# KiCad board fjol-daisy.kicad_pcb (continued)
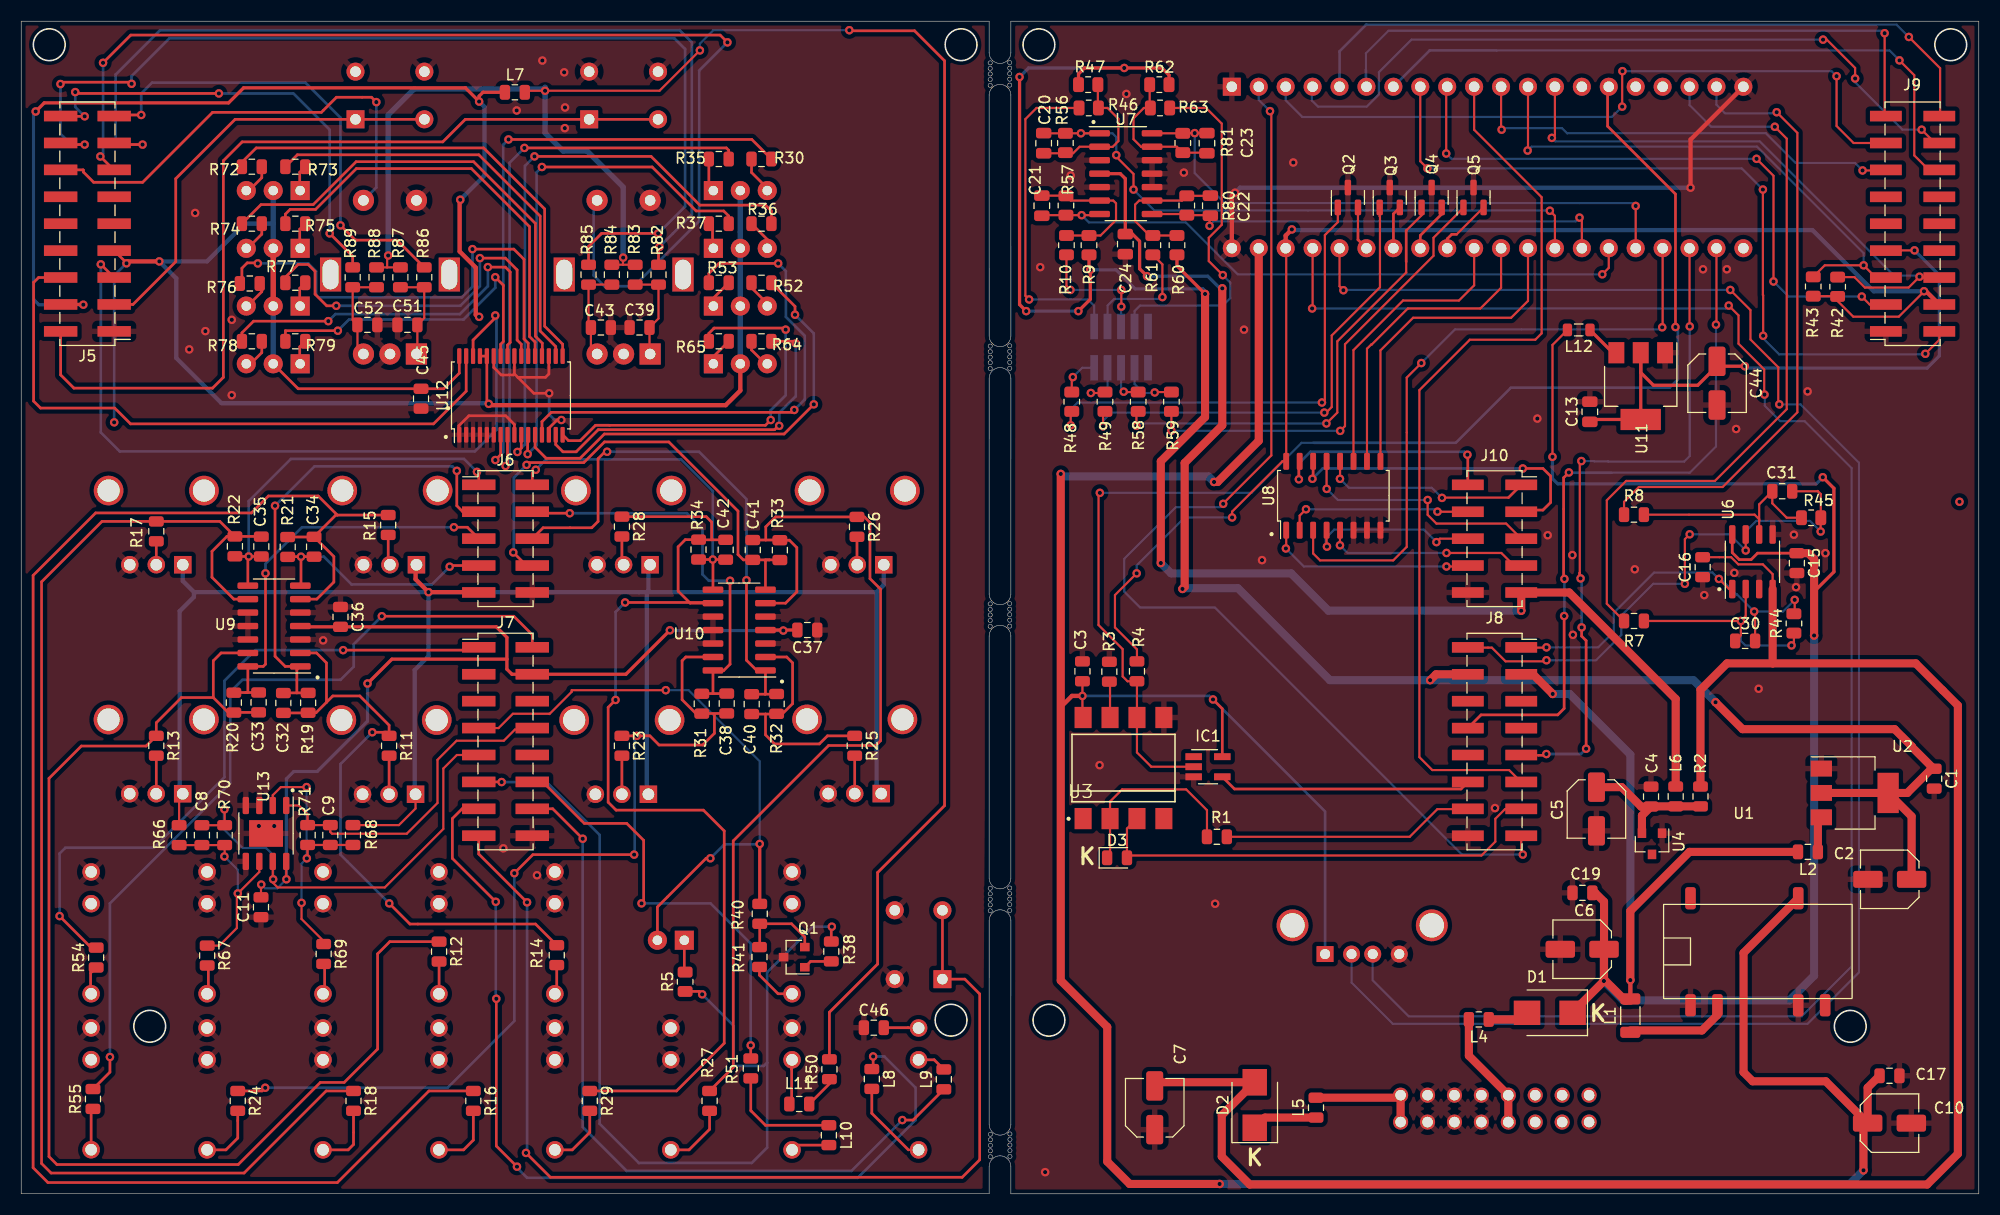
[diagram p0: board, top side]
## Nets
+3.3V: A1.38 J9.4 R4.2 R42.1 R43.2 U8.16
+3.3V_F: J5.4 L7.1
+3.3V_F1: L7.2 R50.2 R83.2 R84.2 R87.2 R88.2
+3.3VA: C1.1 C2.1 C24.2 J8.4 U2.2 U7.4
+3.3VA_F: C11.2 C36.2 C37.2 J7.4 U9.4 U10.4 U13.8
+3.3VP: C13.1 C44.1 J9.7 U11.2
+3.3VP_F: C45.1 D5.2 D6.2 D7.2 D8.2 D9.2 D10.2 D11.2 D12.2 J5.7 U12.28 U12.29 U12.32
+5V: A1.39 C3.1 C10.1 C17.1 IC1.5 U1.7 U3.8 X1.1
+12V: C6.1 C15.1 C19.1 D1.1 J8.3 L1.2 L2.2 L12.2 U6.8
+12V-F: J7.3
-10V: J10.9 L6.2 R9.2 R47.2 R60.2 R62.2
-10V_F: ATTACK1.1 CTL2.1 cutoff1.1 J6.9 PM1.1 PM2.1 R66.2 R68.2 RATIO1.1 RATIO2.1 RELEASE1.1
-12V: C7.2 C16.2 D2.2 R2.1 U6.4
GND: ATTACK1.3 C11.1 C36.1 C37.1 C39.1 C43.1 C45.2 C46.1 C51.1 C52.1 CTL2.3 cutoff1.3 CV-CTL2.P$2_SWITCH CV-CTL2.P$3_SLEEVE CV-CTL3.P$2_SWITCH CV-CTL3.P$3_SLEEVE CV-CTL4.P$2_SWITCH CV-CTL4.P$3_SLEEVE cv-cutoff1.P$2_SWITCH cv-cutoff1.P$3_SLEEVE CV-PM1.P$2_SWITCH CV-PM1.P$3_SLEEVE CV-PM2.P$2_SWITCH CV-PM2.P$3_SLEEVE CV-RAT1.P$2_SWITCH CV-RAT1.P$3_SLEEVE CV-RAT2.P$2_SWITCH CV-RAT2.P$3_SLEEVE CV-REL1.P$2_SWITCH CV-REL1.P$3_SLEEVE GATE-OUT1.P$3_SLEEVE J5.1 J6.10 J7.16 LEFT-OUT1.P$3_SLEEVE MIDI-THRU1.P$3_SLEEVE PM1.3 PM2.3 Q1.3 RATIO1.3 RATIO2.3 RELEASE1.3 RIGHT-OUT1.P$3_SLEEVE SW3.C SW3.S2 SW4.C SW4.S2 sw-midi1.3 sw-midi1.4 sw-sel1.3 sw-sel1.4 sw-sel2.3 sw-sel2.4 U9.3 U9.5 U9.10 U9.11 U9.12 U10.3 U10.5 U10.10 U10.11 U10.12 U12.1 U12.2 U12.3 U12.4 U12.5 U12.6 U12.9 U12.14 U12.19 U12.24 U12.27 U13.3 U13.4 U13.5 U13.9
GND1: A1.1 A1.20 A1.40 C1.2 C2.2 C3.2 C4.2 C5.2 C6.2 C7.1 C10.2 C13.2 C15.2 C16.1 C17.2 C19.2 C24.1 C44.2 IC1.3 J1.3 J1.4 J1.5 J1.6 J1.7 J1.8 J2.9 J2.10 J8.16 J9.1 J10.10 Q2.3 Q3.3 Q4.3 Q5.3 R3.1 U1.1 U1.4 U2.1 U3.5 U4.1 U6.3 U6.5 U7.3 U7.5 U7.10 U7.11 U7.12 U8.6 U8.7 U8.8 U11.1 X1.4
A: A1.31 U8.11
ATTACK: J10.6 U8.4
ATTACK_F: C40.1 J6.6 R32.1 U10.1
B: A1.30 U8.10
C: A1.29 U8.9
CONTROL1_CV: A1.22 J8.8
CONTROL1_CV_F: C9.1 J7.8 R71.1 U13.1
CONTROL2_CV: A1.23 J8.9
CONTROL2_CV_F: C8.1 J7.9 R70.1 U13.7
CONTROL3: J10.5 U8.13
CONTROL3_F: C33.1 J6.5 R20.1 U9.14
controls: A1.24 U8.3
ctl1_enc_A: A1.3 J9.15
ctl1_enc_A_F: J5.15 R82.2
ctl1_enc_B: A1.4 J9.16
ctl1_enc_B_F: J5.16 R85.1
ctl2_enc_A: A1.6 J9.17
ctl2_enc_A_F: J5.17 R86.2
ctl2_enc_B: A1.5 J9.18
ctl2_enc_B_F: J5.18 R89.1
cutoff: J10.3 U8.14
cutoff_f: C32.1 J6.3 R19.1 U9.1
D+: A1.37 X1.3
D-: A1.36 X1.2
dac_left: A1.18 R7.1
dac_right: A1.19 R8.1
euro-5V: J8.7
euro-5V_f: D4.2 J7.7 R40.2
G1-EXP: A1.35 Q2.2
G1-EXP-I: J2.2 R48.1
G2-EXP: A1.34 Q3.2
G2-EXP-I: J2.4 R49.1
G3-EXP: A1.33 Q4.2
G3-EXP-I: J2.6 R58.1
G4-EXP: A1.32 Q5.2
G4-EXP-I: J2.8 R59.1
GATE: A1.10 J8.11
GATE-F: J7.11 R5.1 R38.2
led1_g: R30.2 U12.7
led1_r: R35.2 U12.8
led2_g: R36.2 U12.10
led2_r: R37.2 U12.11
led3_g: R52.2 U12.12
led3_r: R53.2 U12.13
led4_g: R64.2 U12.15
led4_r: R65.2 U12.16
led5_g: R72.2 U12.17
led5_r: R73.2 U12.18
led6_g: R74.2 U12.20
led6_r: R75.2 U12.21
led7_g: R76.2 U12.22
led7_r: R77.2 U12.23
led8_g: R78.2 U12.25
led8_r: R79.2 U12.26
led_gate: J8.10
led_gate_f: J7.10
LEFT-OUT: C30.1 J8.1 R44.2 U6.1
LEFT-OUT-F: J7.1 R54.2
MIDI-IN-L-F: J7.13 L8.1
MIDI-IN-R-F: J7.14 L9.1
MIDI-RX: A1.15 IC1.2 R4.1 U3.6
MIDI-RX4: J8.14 R1.2
MIDI-RX5: D3.2 J8.13 U3.3
MIDI-THRU: IC1.4 J8.12
MIDI-THRU-L-F: J7.12 R51.2
midi_sw: A1.2 J8.15
midi_sw-F: J7.15 sw-midi1.1 sw-midi1.2
PM1: J10.8 U8.1
PM1_F: C41.1 J6.8 R33.1 U10.7
PM2: J10.7 U8.5
PM2_F: C34.1 J6.7 R21.1 U9.7
RATIO1: J10.2 U8.15
RATIO1_F: C42.1 J6.2 R34.1 U10.8
RATIO2: J10.1 U8.12
RATIO2_F: C35.1 J6.1 R22.1 U9.8
RELEASE: J10.4 U8.2
RELEASE_F: C38.1 J6.4 R31.1 U10.14
RIGHT-OUT: C31.1 J8.2 R45.2 U6.7
RIGHT-OUT-F: J7.2 R55.2
SCL: A1.12 J9.5 R43.1
SCL_F: J5.5 U12.30
SDA: A1.13 J9.6 R42.2
SDA_F: J5.6 U12.31
switch1_sw: A1.8 J9.2
switch1_sw-F: J5.2 sw-sel1.1 sw-sel1.2
switch2_sw: A1.9 J9.3
switch2_sw-F: J5.3 sw-sel2.1 sw-sel2.2
switch3_sw: A1.11 J9.13
switch3_sw_F: J5.13 SW3.S1
switch4_sw: A1.7 J9.14
switch4_sw_F: J5.14 SW4.S1
voct1: A1.28 C20.1 R56.1 U7.1
voct1-I: J2.1 R46.2
voct2: A1.27 C22.1 R80.1 U7.8
voct2-I: J2.3 R61.2
voct3: A1.26 C21.1 R57.1 U7.7
voct3-I: J2.5 R10.2
voct4: A1.25 C23.1 R81.1 U7.14
voct4-I: J2.7 R63.2
Net-(ATTACK1-Pad2): ATTACK1.2 R25.2
Net-(C4-Pad1): C4.1 C5.1 L6.1 R2.2 U4.2
Net-(C8-Pad2): C8.2 R66.1 R67.1 R70.2 U13.6
Net-(C9-Pad2): C9.2 R68.1 R69.1 R71.2 U13.2
Net-(C20-Pad2): C20.2 R46.1 R47.1 R56.2 U7.2
Net-(C21-Pad2): C21.2 R9.1 R10.1 R57.2 U7.6
Net-(C22-Pad2): C22.2 R60.1 R61.1 R80.2 U7.9
Net-(C23-Pad2): C23.2 R62.1 R63.1 R81.2 U7.13
Net-(C30-Pad2): C30.2 R7.2 R44.1 U6.2
Net-(C31-Pad2): C31.2 R8.2 R45.1 U6.6
Net-(C32-Pad2): C32.2 R11.1 R14.1 R19.2 U9.2
Net-(C33-Pad2): C33.2 R12.1 R13.1 R20.2 U9.13
Net-(C34-Pad2): C34.2 R15.1 R16.1 R21.2 U9.6
Net-(C35-Pad2): C35.2 R17.1 R18.1 R22.2 U9.9
Net-(C38-Pad2): C38.2 R23.1 R24.1 R31.2 U10.13
Net-(C39-Pad2): C39.2 R82.1 R83.1 SW3.A
Net-(C40-Pad2): C40.2 R25.1 R32.2 U10.2
Net-(C41-Pad2): C41.2 R26.1 R27.1 R33.2 U10.6
Net-(C42-Pad2): C42.2 R28.1 R29.1 R34.2 U10.9
Net-(C43-Pad2): C43.2 R84.1 R85.2 SW3.B
Net-(C46-Pad2): C46.2 MIDI-IN1.P$3_SLEEVE
Net-(C51-Pad2): C51.2 R86.1 R87.1 SW4.A
Net-(C52-Pad2): C52.2 R88.1 R89.2 SW4.B
Net-(CTL2-Pad2): CTL2.2 R13.2
Net-(CV-CTL2-PadP$1_TIP): CV-CTL2.P$1_TIP R12.2
Net-(CV-CTL3-PadP$1_TIP): CV-CTL3.P$1_TIP R69.2
Net-(CV-CTL4-PadP$1_TIP): CV-CTL4.P$1_TIP R67.2
Net-(CV-PM1-PadP$1_TIP): CV-PM1.P$1_TIP R27.2
Net-(CV-PM2-PadP$1_TIP): CV-PM2.P$1_TIP R16.2
Net-(CV-RAT1-PadP$1_TIP): CV-RAT1.P$1_TIP R29.2
Net-(CV-RAT2-PadP$1_TIP): CV-RAT2.P$1_TIP R18.2
Net-(CV-REL1-PadP$1_TIP): CV-REL1.P$1_TIP R24.2
Net-(D1-Pad2): D1.2 L4.1
Net-(D2-Pad1): D2.1 L5.1
Net-(D3-Pad1): D3.1 R1.1 U3.2
Net-(D4-Pad1): D4.1 R5.2
Net-(D5-Pad1): D5.1 R35.1
Net-(D5-Pad3): D5.3 R30.1
Net-(D6-Pad1): D6.1 R37.1
Net-(D6-Pad3): D6.3 R36.1
Net-(D7-Pad1): D7.1 R53.1
Net-(D7-Pad3): D7.3 R52.1
Net-(D8-Pad1): D8.1 R65.1
Net-(D8-Pad3): D8.3 R64.1
Net-(D9-Pad1): D9.1 R73.1
Net-(D9-Pad3): D9.3 R72.1
Net-(D10-Pad1): D10.1 R75.1
Net-(D10-Pad3): D10.3 R74.1
Net-(D11-Pad1): D11.1 R77.1
Net-(D11-Pad3): D11.3 R76.1
Net-(D12-Pad1): D12.1 R79.1
Net-(D12-Pad3): D12.3 R78.1
Net-(GATE-OUT1-PadP$1_TIP): GATE-OUT1.P$1_TIP R41.1
Net-(J1-Pad1): J1.1 J1.2 L5.2
Net-(J1-Pad10): J1.9 J1.10 L4.2
Net-(L1-Pad1): L1.1 U1.2
Net-(L2-Pad1): L2.1 U2.3
Net-(L8-Pad2): L8.2 MIDI-IN1.P$1_TIP
Net-(L9-Pad2): L9.2 MIDI-IN1.P$2_SWITCH
Net-(L10-Pad1): L10.1 R51.1
Net-(L10-Pad2): L10.2 MIDI-THRU1.P$1_TIP
Net-(L11-Pad1): L11.1 R50.1
Net-(L11-Pad2): L11.2 MIDI-THRU1.P$2_SWITCH
Net-(L12-Pad1): L12.1 U11.3
Net-(LEFT-OUT1-PadP$1_TIP): LEFT-OUT1.P$1_TIP R54.1
Net-(PM1-Pad2): PM1.2 R26.2
Net-(PM2-Pad2): PM2.2 R15.2
Net-(Q1-Pad1): Q1.1 R38.1
Net-(Q1-Pad2): Q1.2 R40.1 R41.2
Net-(Q2-Pad1): Q2.1 R48.2
Net-(Q3-Pad1): Q3.1 R49.2
Net-(Q4-Pad1): Q4.1 R58.2
Net-(Q5-Pad1): Q5.1 R59.2
Net-(R3-Pad2): R3.2 U3.7
Net-(R11-Pad2): cutoff1.2 R11.2
Net-(R14-Pad2): cv-cutoff1.P$1_TIP R14.2
Net-(R17-Pad2): R17.2 RATIO2.2
Net-(R23-Pad2): R23.2 RELEASE1.2
Net-(R28-Pad2): R28.2 RATIO1.2
Net-(R55-Pad1): R55.1 RIGHT-OUT1.P$1_TIP

Pads without a net: A1 14 16 17 21; ATTACK1 CHASSIS1 CHASSIS2; CTL2 CHASSIS1 CHASSIS2; cutoff1 CHASSIS1 CHASSIS2; GATE-OUT1 P$2_SWITCH; IC1 1; J1 11 12 13 14 15 16; J5 8 9 10 11 12; J7 5 6; J8 5 6; J9 8 9 10 11 12; LEFT-OUT1 P$2_SWITCH; PM1 CHASSIS1 CHASSIS2; PM2 CHASSIS1 CHASSIS2; RATIO1 CHASSIS1 CHASSIS2; RATIO2 CHASSIS1 CHASSIS2; RELEASE1 CHASSIS1 CHASSIS2; RIGHT-OUT1 P$2_SWITCH; SW3 MP; SW4 MP; U1 5 10; U3 1 4; U4 3; X1 5

## Via types
v1: diameter 0.8, hole 0.4, Top to Bottom, 293 vias

## Routing (per net, layer and track width the routed paths; a pad name or vN(x,y) marks a point on that pad's centre or on a via; arc(x,y) is an arc through that point)
+3.3V: length 127.9
  Top w0.203: v1(105.23,58.56) 103.18,56.51 103.18,53.46 105.26,51.38 R4.2 ; R43.2 171.33,84.72 R42.1 171.36,84.26 172.83,82.78 177.13,82.78 179.51,85.16 v1(179.51,85.18) ; A1.38 119.34,89.19 U8.16 118.98,69.13 114.23,64.39 v1(114.23,63.83)
  Top w0.406: v1(119.87,91.02) 119.29,90.44 A1.38 ; J9.4 179.7,85.18 v1(179.51,85.18)
  Bottom w0.203: v1(105.23,58.56) 105.23,59.31 109.76,63.83 v1(114.23,63.83)
  Bottom w0.406: v1(179.51,85.18) 174.76,85.18 168.98,90.96 119.93,90.96 v1(119.87,91.02)
+3.3V_F: length 93.6
  Top w0.305: v1(1.37,102.15) 2.18,102.96 19.56,102.96 20.98,104.38 41.91,104.38 v1(43.2,103.09) 43.2,103.6 43.56,103.96 L7.1 ; J5.4 5.84,83.94 v1(5.86,83.91)
  Top w0.406: v1(43.2,82.77) 43.01,82.96 42.88,82.96 42.88,87.42 41.36,88.94 41.36,93.76 v1(41.42,93.82)
  Bottom w0.305: v1(5.86,83.91) 1.67,83.91 1.16,84.42 1.16,101.95 v1(1.37,102.15)
  Bottom w0.406: v1(43.2,103.09) 43.71,102.58 43.71,96.11 v1(41.42,93.82)
+3.3V_F1: length 198.3
  Top w0.203: 56.77,87.69 R84.2 ; 56.77,87.69 56.77,88.39 56.77,88.37 v1(56.79,88.36) ; 56.77,87.69 R83.2 ; v1(34.62,88.56) 34.52,88.46 34.52,87.44 ; R87.2 34.52,87.44 ; 34.52,87.44 R88.2 ; v1(64.03,107.92) 60.22,104.11 v1(49.42,104.11) 47.65,104.11 L7.2
  Top w0.254: R50.2 76.24,17.14 80.79,21.68 80.79,30.32 87.11,36.64 87.11,106.93 84.27,109.77 78.18,109.77 v1(78.12,109.82)
  Bottom w0.203: v1(64.03,107.92) 64.03,108.55 65.3,109.82 v1(78.12,109.82)
  Bottom w0.508: v1(56.79,88.36) 56.79,95.02 53.39,98.42 51.13,98.42 49.42,100.13 v1(49.42,104.11) 49.42,104.43 49.26,104.27 37.05,104.27 34.62,101.83 v1(34.62,88.56)
+3.3VA: length 162.3
  Top w0.203: 105.46,89.96 105.51,89.91
  Top w0.305: U7.4 103.68,96.28 104.16,95.81 C24.2 104.83,90.58 105.46,89.96 ; 178.3,42.23 180.31,40.22 ; v1(106.21,86.61) 105.51,87.31 105.51,89.91 ; 136.47,49.01 133.45,49.01 v1(132.92,48.48)
  Top w0.406: C1.1 178.36,42.23
  Top w0.762: J8.4 133.47,49.03 v1(132.92,48.48) ; U2.2 178.34,35.62 C2.1 ; U2.2 U2.2 ; U2.2 177.93,37.83 180.31,40.22 178.36,42.18 178.36,42.23 176.73,43.85 162.38,43.85 v1(159.84,46.39) ; v1(109.55,57.09) 109.76,57.3 109.76,68.98 113.31,72.53 v1(113.31,85.46)
  Bottom w0.305: v1(106.21,86.61) 111.93,86.61 113.08,85.46 v1(113.31,85.46)
  Bottom w0.762: v1(109.55,57.09) 109.63,57.16 114.78,57.16 123.46,48.48 v1(132.92,48.48) 157.76,48.48 v1(159.84,46.39)
+3.3VA_F: length 96.8
  Top w0.203: v1(22.65,29.19) 22.62,29.16 C11.2 ; U13.8 25,29.71 v1(25.02,29.69)
  Top w0.305: 71.95,53.21 70.22,53.21 U10.4 ; 71.95,53.21 C37.2 ; 71.95,53.21 v1(71.9,53.16) ; 45.82,50.46 45.82,49.51 46.3,49.04 J7.4 57.05,49.04 v1(61.2,53.19) ; 45.82,50.46 34.97,50.46 v1(32.67,48.16) ; 45.82,50.46 45.82,52.51 44.82,53.51 C36.2 26.41,53.51 U9.4
  Bottom w0.203: v1(25.02,29.69) 24.17,28.84 23,28.84 v1(22.65,29.19)
  Bottom w0.305: v1(71.9,53.16) 61.22,53.16 v1(61.2,53.19) ; v1(32.67,48.16) 32.67,44.61 27.92,39.86 25.72,39.86 25.02,39.16 v1(25.02,29.69)
+3.3VP: length 57.3
  Top w0.203: J9.7 177.32,89.02 177.35,89.04 v1(178.61,89.04)
  Top w0.305: C13.1 148.21,73.08 152.78,73.08 U11.2 152.78,77.51 153.98,76.31 158.16,76.31 159.98,78.13 C44.1 160.45,78.11 v1(162.61,78.11)
  Bottom w0.305: v1(178.61,89.04) 180.96,86.7 180.96,79.08 179.81,77.93 162.78,77.93 v1(162.61,78.11)
+3.3VP_F: length 159.2
  Top w0.25: v1(44.11,74.56) 43.93,74.74 U12.28 U12.29 ; C45.1 39.86,75.98 41.33,77.45 U12.32 ; J5.7 9.93,87.86 v1(9.93,87.82)
  Top w0.254: D12.2 26.13,75.98 C45.1
  Top w0.406: v1(44.11,74.56) 44.23,74.43 66.46,74.43 67.84,75.81 D8.2 ; v1(13.03,88) 10.11,88 v1(9.93,87.82)
  Top w0.508: D11.2 D10.2
  Bottom w0.25: v1(9.93,87.82) 8.77,86.66 v1(8.77,72.81)
  Bottom w0.406: v1(44.11,74.56) 44.04,74.62 18.89,74.62 14.63,78.88 14.63,86.4 v1(13.03,88) 17.53,88 21.09,91.56 23.78,91.56
  Bottom w0.508: D10.2 D9.2 ; D12.2 D11.2 ; D8.2 D7.2 D6.2 D5.2
+5V: length 380.9
  Top w0.203: U3.8 100.11,45.02 v1(100.11,46.99) C3.1
  Top w0.25: IC1.5 113.31,45.78 v1(112.43,46.66)
  Top w0.406: 98.07,45.94 99.12,46.99 v1(100.11,46.99) ; 98.07,45.94 98.07,20.13 ; 98.07,45.94 v1(98.07,67.94)
  Top w0.762: v1(112.53,67.18) 112.86,67.18 116.75,71.07 A1.39 ; v1(113.06,0.93) 104.57,0.93 102.45,3.05 102.45,15.75 98.07,20.13 v1(98.07,67.94) ; C17.1 174.19,10.01 C10.1 ; C10.1 170.24,10.62 163.34,10.62 162.48,11.47 162.48,22.74 U1.7 ; C10.1 173.8,6.28 v1(173.8,2.22)
  Bottom w0.25: v1(100.11,46.99) 112.1,46.99 v1(112.43,46.66) 123,36.09 X1.1
  Bottom w0.406: 172.69,0.93 171.66,0.93 ; 171.66,0.93 v1(113.06,0.93) ; 171.66,0.93 172.5,0.93
  Bottom w0.762: v1(113.06,0.93) 172.5,0.93 v1(173.8,2.22) ; v1(98.07,67.94) 98.31,67.71 112.01,67.71 v1(112.53,67.18)
+12V: length 210.3
  Top w0.203: L12.2 144.46,80.12 v1(144.46,69.56)
  Top w0.254: C15.1 163.8,60.46 163.19,59.86 162.08,59.86 161.42,60.52 U6.8
  Top w0.305: 141.51,49.01 142.65,49.01 143.15,48.5 ; v1(169.96,67.63) 171.01,66.58 171.01,58.7 169.14,56.83 v1(169.14,52.69)
  Top w0.406: v1(151.8,20.17) 151.8,18.22
  Top w0.762: C6.1 149.31,23.07 v1(149.31,20.08) 146.36,17.13 D1.1 ; C6.1 149.32,27.57 148.48,28.41 C19.1 ; C6.1 149.32,20.24 151.34,18.22 151.8,18.22 ; L2.2 157.38,32.27 151.8,26.7 v1(151.8,20.17) ; C15.1 168.59,60.46 169.14,59.91 v1(169.14,52.69) ; v1(144.48,47.18) 142.62,49.03 J8.3
  Bottom w0.305: v1(169.96,67.63) 169.33,67.01 144.96,67.01 144.46,67.51 v1(144.46,69.56)
  Bottom w0.762: v1(169.14,52.69) 169.14,20.58 166.81,18.26 151.13,18.26 v1(149.31,20.08) ; v1(144.48,47.18) 146.08,47.18 151.8,41.45 v1(151.8,20.17)
-10V: length 162.7
  Top w0.305: v1(111.68,84.93) 109.03,87.58 R60.2 ; R62.2 108.28,105.58 107.61,106.26 100.31,106.26 99.75,105.69 R47.2 ; v1(94.81,83.31) 94.18,83.93 v1(94.18,105.41) ; R9.2 100.73,87.33 v1(100.86,87.21) 100.86,84.43 v1(99.73,83.31)
  Top w0.762: v1(141.51,55.03) 141.51,55.03 J10.9 146.04,56.75 156.08,46.71 L6.2 ; v1(111.68,84.93) 111.68,73.31 107.51,69.13 v1(107.51,59.53)
  Bottom w0.305: v1(94.18,105.41) 95.03,106.26 v1(104.06,106.26) ; v1(111.68,84.93) 111.68,85.21 111.48,85.41 105.08,85.41 103.28,87.21 v1(100.86,87.21) ; v1(94.81,83.31) v1(99.73,83.31)
  Bottom w0.762: v1(107.51,59.53) 108.48,58.56 119.81,58.56 123.33,55.03 v1(141.51,55.03)
-10V_F: length 169.5
  Top w0.203: CTL2.1 14.9,37.42 R66.2 ; R68.2 35.63,34.8 37.2,36.37 cutoff1.1
  Top w0.406: 37.21,59.37 37.21,58 v1(38.42,56.79) 43.13,56.79 J6.9
  Bottom w0.406: 59.17,59.37 59.17,56.91 59.05,56.79 ; 59.1,56.79 59.02,56.71 59.02,37.86 RELEASE1.1 ; 80.7,56.79 80.7,38.21 ATTACK1.1 ; 80.7,56.79 81.37,57.46 PM1.1 ; 80.7,56.79 v1(38.42,56.79) ; 16.3,56.79 15.24,57.84 RATIO2.1 ; 16.3,56.79 v1(38.42,56.79) ; 16.3,56.79 16.3,56.34 14.95,54.99 14.95,38.05 CTL2.1 ; v1(38.42,56.79) 38.42,50.74 37.12,49.44 37.12,37.79 cutoff1.1
-12V: length 209.7
  Top w0.203: U6.4 165.23,58.48 164.3,59.41 161.99,59.41 161.31,60.08 C16.2
  Top w0.254: 182.45,46.34 182.7,46.09
  Top w0.305: D2.2 115.29,10.53 ; 165.23,50.2 U6.4 ; 165.23,50.2 165.23,50.06 ; 165.23,50.2 161.06,50.2 158.42,47.56 ; 182.45,46.34 181.28,47.51
  Top w0.406: 107.28,10.53 115.29,10.53
  Top w0.762: R2.1 158.42,47.56 160.92,50.06 165.23,50.06 ; C7.2 107.28,10.53 D2.2 113.26,7.42 113.26,3.52 115.9,0.88 179.81,0.88 182.7,3.77 182.7,46.09 178.73,50.06 165.23,50.06 ; 165.23,50.06 U6.4
GND: length 27.1
  Top w0.25: 46.53,77.39 46.42,77.28 45.28,77.28 44.58,77.99 U12.27
  Top w0.254: U12.19 49.78,77.38 49.46,77.06 46.86,77.06 ; 46.86,77.06 48.36,75.56 v1(49.81,75.56) ; 46.86,77.06 46.53,77.39 U12.24 ; U12.14 49.78,72.26 50.55,73.03 v1(50.96,73.03) ; U12.9 46.53,72.61 45.71,73.43 42.23,73.43 41.28,72.48 41.28,71.68 U12.1
  Bottom w0.254: v1(49.81,75.56) 49.81,73.56 50.33,73.03 v1(50.96,73.03)
  vias: v1(15.85,79.69) v1(16.41,92.57) v1(17.37,81.42) v1(19.86,82.49) v1(19.86,75.38) v1(22.42,34.71) v1(23.87,34.71) v1(28.48,52.23) v1(45.48,32.61) v1(46.74,102.25) v1(48.66,30.07) v1(49.16,106.96) v1(51.22,105.85) v1(51.28,100.58) v1(51.3,102.53)
GND1: length 60.1
  Top w0.406: v1(157.48,94.96) 157.48,99.5 A1.20 ; v1(114.51,94.48) 114.21,94.18 A1.40
  Bottom w0.406: v1(157.48,94.96) 114.98,94.96 v1(114.51,94.48)
  vias: v1(96.13,87.46) v1(96.6,2.05) v1(99.01,96.11) v1(101.73,40.46) v1(104.26,103.81) v1(109.68,96.38) v1(112.63,27.38) v1(115.36,81.56) v1(117.06,59.81) v1(120.01,97.33) v1(139.03,36.41) v1(143.03,73.17) v1(144.01,62.16) v1(146.33,60.28) v1(146.38,52.76) v1(152.22,58.94) v1(158.66,87.26) v1(158.78,56.5) v1(160.91,87.26) v1(161.61,58.61) v1(161.78,72.18) v1(163.91,47.66) v1(167.23,62.21) v1(167.43,57.26) v1(168.53,75.73) v1(170.21,60.47)
(no net):
  vias: v1(182.85,65.32)
A: length 27.9
  Top w0.203: A1.31 137.07,85.74 135.63,84.31 130.36,84.31 125.68,79.63 125.68,69.14 U8.11
ATTACK: length 16.8
  Top w0.203: J10.6 133.83,61.83 v1(133.51,61.51) ; v1(123.18,61.08) 123.15,61.12 U8.4
  Bottom w0.203: v1(123.18,61.08) 123.06,61.21 123.06,61.88 123.86,62.68 132.33,62.68 v1(133.51,61.51)
ATTACK_F: length 50.9
  Top w0.25: J6.6 49.24,62.86 53.82,62.86 54.42,63.46 54.42,69.39 55.07,70.04 v1(55.27,70.04) ; C40.1 70.18,47.16 ; 70.18,47.16 71.25,47.16 R32.1 ; 70.18,47.16 70.21,47.19 U10.1 69.39,49.39 68.42,50.36 v1(68.42,57.91)
  Bottom w0.25: v1(55.27,70.04) 63.95,70.04 68.42,65.56 v1(68.42,57.91)
B: length 29.4
  Top w0.203: U8.10 126.96,79.76 127.36,80.16 127.41,80.16 130.81,83.56 137.66,83.56 139.61,85.51 A1.30
C: length 31.3
  Top w0.203: U8.9 128.23,79.6 131.31,82.68 140.56,82.68 142.15,84.27 A1.29
CONTROL1_CV: length 66
  Top w0.203: A1.22 159.93,82.08 v1(159.88,82.03)
  Top w0.25: J8.8 137.72,45.2 144.95,45.2 145.56,45.81 v1(145.56,54.53) ; v1(145.58,58.03) 145.51,58.11 145.51,67.58 v1(146.01,68.08)
  Bottom w0.203: v1(159.88,82.03) 159.88,70.53 157.41,68.06 149.98,68.06
  Bottom w0.25: v1(145.56,54.53) 145.58,54.56 v1(145.58,58.03) ; 149.98,68.06 146.03,68.06 v1(146.01,68.08)
CONTROL1_CV_F: length 31.8
  Top w0.203: U13.1 26.2,36.65 27.02,35.83 R71.1 C9.1 29.16,34.15 29.32,33.99 36.37,33.99 39.27,36.89 39.27,40.96 41.07,42.76 45.52,42.76 46.57,43.81 48.07,43.81 J7.8
CONTROL2_CV: length 63.9
  Top w0.203: 143.16,41.39 141.51,41.39 ; A1.23 157.39,81.88 v1(157.41,81.86) ; 147.01,58.58 147.03,58.61 147.03,69.01 v1(147.18,69.16)
  Top w0.25: v1(147.63,42.01) 147.63,52.21 147.21,52.63 v1(147.21,53.46) ; 147.01,58.58 147.01,58.18 v1(147.11,58.08) ; v1(143.88,41.51) 143.76,41.39 143.16,41.39
  Bottom w0.203: v1(157.41,81.86) 157.41,69.63 156.88,69.11 149.71,69.11 149.68,69.13 148.41,69.13 148.38,69.16 v1(147.18,69.16)
  Bottom w0.25: v1(147.63,42.01) 147.13,41.51 v1(143.88,41.51) ; v1(147.11,58.08) 147.21,57.98 v1(147.21,53.46)
CONTROL2_CV_F: length 43.6
  Top w0.203: v1(23.77,29.68) 23.77,29.34 24.2,28.91 34.3,28.91 39.82,34.44 39.82,40.14 41.1,41.42 J7.9 ; v1(19.17,36.29) 19.2,36.26 R70.1 C8.1 ; 23.73,29.72 U13.7
  Bottom w0.203: v1(19.17,36.29) 19.12,36.24 19.12,34.41 20.9,32.64 23.1,32.64 23.77,31.96 v1(23.77,29.68)
CONTROL3: length 23.7
  Top w0.203: J10.5 140.09,63.26 133.51,63.26 132.68,64.08 v1(132.68,65.48) ; U8.13 123.15,66.54 v1(123.16,66.53)
  Bottom w0.203: v1(132.68,65.48) 124.21,65.48 v1(123.16,66.53)
CONTROL3_F: length 38.2
  Top w0.25: 21.17,47.31 21.17,47.31 21.32,47.31 21.38,47.37 U9.14 22.84,49.78 23.05,49.99 v1(23.05,58.56) ; 21.17,47.31 C33.1 ; 21.17,47.31 20.08,47.31 R20.1 ; v1(40.82,62.91) 42.09,62.91 J6.5
  Bottom w0.25: v1(40.82,62.91) 26.5,62.91 23.05,59.46 v1(23.05,58.56)
controls: length 61.3
  Top w0.203: v1(154.81,81.78) 154.85,81.82 A1.24 ; v1(132.08,78.41) 130.71,77.03 130.71,61.06 129.43,59.78 122.53,59.78 121.88,60.44 U8.3
  Bottom w0.203: v1(154.81,81.78) 154.61,81.58 135.26,81.58 v1(132.08,78.41)
ctl1_enc_A: length 67.9
  Top w0.203: v1(151.06,105.96) 151.03,105.93 v1(151.03,102.61) ; v1(171.26,105.48) 171.26,100.78 172.86,99.18 J9.15
  Bottom w0.203: v1(151.06,105.96) 170.78,105.96 v1(171.26,105.48) ; A1.3 119.29,103.2 120.86,101.63 150.06,101.63 v1(151.03,102.61)
ctl1_enc_A_F: length 90.4
  Top w0.254: v1(60.22,89.37) 60.12,89.28 R82.2 ; v1(11.45,99.03) 8.92,99.03 J5.15
  Bottom w0.254: v1(11.45,99.03) 9.42,99.03 8.91,99.53 8.91,105.63 13.1,109.82 62.12,109.82 63.26,108.68 63.26,92.42 v1(60.22,89.37)
ctl1_enc_B: length 69.4
  Top w0.203: v1(179.28,100.43) 180.54,99.18 J9.16 ; v1(169.98,108.93) 170.33,108.93 173.01,106.26 v1(173.01,105.26)
  Bottom w0.203: v1(169.98,108.93) 131.16,108.93 128.08,105.86 128.08,103.76 126.93,102.61 122.33,102.61 121.76,103.18 121.76,104.41 A1.4 ; v1(179.28,100.43) 177.48,100.43 173.01,104.91 v1(173.01,105.26)
ctl1_enc_B_F: length 98.7
  Top w0.254: v1(3.7,104.74) 3.88,104.92 10.26,104.92 v1(10.41,104.76) ; v1(60.09,90.64) 54.76,90.64 53.52,89.41 R85.1 ; J5.16 3.87,99.03 v1(5.99,99.03)
  Bottom w0.254: v1(60.09,90.64) 62.63,93.18 62.63,108.04 61.61,109.06 13.99,109.06 10.41,105.49 v1(10.41,104.76) ; v1(5.99,99.03) 4.72,99.03 3.7,100.04 v1(3.7,104.74)
ctl2_enc_A: length 61
  Top w0.203: v1(175.79,109.54) 175.79,101.83 J9.17
  Bottom w0.203: 126.86,106.06 126.86,107.64 128.98,109.77 175.56,109.77 v1(175.79,109.54)
  Bottom w0.25: A1.6 126.86,104.53 126.86,106.06
ctl2_enc_A_F: length 44.9
  Top w0.254: J5.17 8.87,101.82 v1(11.32,101.82) ; v1(30.12,91.41) 31.51,90.01 35.45,90.01 R86.2
  Bottom w0.254: v1(30.12,91.41) 30.12,101.57 26.82,104.87 12.34,104.87 11.32,103.85 v1(11.32,101.82)
ctl2_enc_B: length 67.3
  Top w0.203: v1(178.08,109.18) 181.03,106.24 181.03,101.79 J9.18
  Bottom w0.203: v1(178.08,109.18) 176.91,110.35 126.89,110.35
  Bottom w0.25: 126.89,110.35 124.37,107.83 A1.5
ctl2_enc_B_F: length 44.3
  Top w0.254: J5.18 3.75,101.69 v1(5.99,101.69) ; v1(29.1,90.64) 31.27,88.47 R89.1 ; v1(18.65,103.85) 5.23,103.85 v1(5.1,103.98)
  Bottom w0.254: v1(18.65,103.85) 25.67,103.85 29.1,100.42 v1(29.1,90.64) ; v1(5.99,101.69) 5.1,102.58 v1(5.1,103.98)
cutoff: length 30.5
  Top w0.25: U8.14 121.88,67.55 v1(121.81,67.48) ; 141.51,64.37 141.67,64.53 143.56,64.53 144.28,65.26 144.28,67.73 143.56,68.46 v1(141.66,68.46)
  Bottom w0.25: v1(121.81,67.48) 122.78,68.46 v1(141.66,68.46)
cutoff_f: length 46.4
  Top w0.25: R19.1 26,47.28 ; 26,47.28 26,49.47 26.31,49.78 U9.1 24.91,49.78 23.95,50.74 v1(23.95,64.94) ; 26,47.28 24.75,47.28 C32.1 ; v1(41.1,68.24) 41.1,64.94 41.66,64.38 J6.3
  Bottom w0.25: v1(23.95,64.94) 27.67,68.66 40.67,68.66 v1(41.1,68.24)
D+: length 164.7
  Top w0.2: v1(164.46,75.43) 164.43,75.46 164.43,77.81 162.01,80.23 162.01,82.91 v1(161.08,83.83) ; A1.37 121.83,83.6 v1(121.78,83.56)
  Bottom w0.2: v1(161.08,83.83) 160.81,83.56 v1(121.78,83.56) ; v1(164.46,75.43) 164.48,75.46 164.48,74.38 165.93,72.93 168.24,72.93 172.68,68.49 172.68,21.47 167.97,16.76 130.88,16.76 127.49,20.15 127.49,22.62 X1.3
D-: length 165.4
  Top w0.2: v1(161.23,85.31) 163.13,83.41 163.13,80.63 165.76,78.01 165.76,74.61 v1(165.86,74.51) ; A1.36 124.37,85.65 v1(124.73,85.28)
  Bottom w0.2: v1(124.73,85.28) 124.76,85.31 v1(161.23,85.31) ; v1(165.86,74.51) 167.86,74.51 173.37,68.99 173.37,20.9 168.51,16.04 129.39,16.04 125.5,19.93 X1.2
dac_left: length 70.3
  Top w0.203: R7.1 149.58,55.69 149.58,65.46 151.41,67.28 159.78,67.28 166.56,74.06 166.56,99.58 v1(165.43,100.71)
  Bottom w0.203: A1.18 157.39,102.75 159.43,100.71 v1(165.43,100.71)
dac_right: length 57.9
  Top w0.203: R8.1 151.21,65.31 152.61,66.71 160.51,66.71 167.56,73.76 167.56,100.13 v1(165.61,102.08)
  Bottom w0.203: A1.19 159.93,102.79 160.73,101.98 165.51,101.98 v1(165.61,102.08)
euro-5V_f: length 59.6
  Top w0.203: v1(60.81,47.53) 51.93,47.53 51.93,47.38 49.83,45.28 49.81,45.31 46.38,45.31 45.03,43.96 J7.7
  Top w0.25: v1(65.01,31.67) 64.61,31.67 60.02,27.07 D4.2
  Top w0.305: R40.2 v1(69.67,33.02)
  Bottom w0.203: v1(60.81,47.53) 62.96,47.53 69.67,40.82 v1(69.67,33.02)
  Bottom w0.25: v1(65.01,31.67) 66.33,32.98 69.63,32.98 v1(69.67,33.02)
G1-EXP: length 4.3
  Top w0.203: 126.11,93.17 126.11,90.98
  Top w0.25: A1.35 126.11,90.04 126.11,90.98
G1-EXP-I: length 3.8
  Top w0.203: R48.1 99.11,76.98 v1(99.21,77.08)
  Bottom w0.203: v1(99.21,77.08) 100.08,77.96 J2.2
G2-EXP: length 4.1
  Top w0.25: A1.34 129.45,92.48 Q3.2
G2-EXP-I: length 5.1
  Top w0.203: v1(100.91,75.58) 102.15,75.58 R49.1
  Bottom w0.203: 102.49,77.96 102.49,75.96 102.11,75.58 v1(100.91,75.58)
G3-EXP: length 4.7
  Top w0.203: 133.96,93.09 Q4.2
  Top w0.25: A1.33 131.99,90.45 134.01,92.47 Q4.2
G3-EXP-I: length 3.7
  Top w0.203: v1(104.01,75.71) 104.05,75.67 R58.1
  Bottom w0.203: J2.6 103.76,75.96 v1(104.01,75.71)
G4-EXP: length 5.5
  Top w0.203: Q5.2 135.42,90.56
  Top w0.25: A1.32 134.53,90.13 134.96,90.56 135.42,90.56
G4-EXP-I: length 5.4
  Top w0.203: R59.1 106.97,75.67 v1(106.93,75.63)
  Bottom w0.203: J2.8 105.03,76.44 105.88,75.58 106.88,75.58 v1(106.93,75.63)
GATE: length 84.9
  Top w0.203: A1.10 137.07,100.42 143.43,94.06 143.43,81.21 142.83,80.61 136.66,80.61 131.9,75.85 131.9,41.21 133.12,39.99 140.36,39.99 141.51,38.85
GATE-F: length 97.5
  Top w0.25: v1(45.32,38.86) 45.31,38.88 J7.11 ; v1(76.47,25.21) 76.42,25.16 R38.2 ; v1(64.24,18.83) 63.97,19.1 R5.1
  Bottom w0.25: 70.37,12.39 70.37,4.36 68.92,2.91 58.27,2.91 54.57,6.61 54.57,33.86 49.57,38.86 v1(45.32,38.86) ; 70.37,12.39 70.05,12.07 67.22,12.07 67.22,15.85 v1(64.24,18.83) ; 70.37,12.39 70.37,20.91 74.67,25.21 v1(76.47,25.21)
led1_g: length 58.9
  Top w0.25: R30.2 68.92,99.51 v1(45.97,99.51)
  Top w0.254: U12.7 45.23,69.75 v1(44.73,69.25)
  Bottom w0.25: v1(44.73,69.25) 45.47,70 45.47,99.01 v1(45.97,99.51)
led1_r: length 54
  Top w0.25: R35.2 66.75,98.49 66.52,98.71 v1(47.47,98.71)
  Top w0.254: U12.8 45.88,68.88 v1(45.69,68.7)
  Bottom w0.25: v1(47.47,98.71) 46.07,97.31 46.07,69.07 v1(45.69,68.7)
led2_g: length 56
  Top w0.25: v1(48.42,97.91) 59.42,97.91 64.02,93.31 70.22,93.31 70.77,92.76 R36.2
  Top w0.254: U12.10 47.18,70.38 v1(46.81,70.02)
  Bottom w0.25: v1(48.42,97.91) 47.52,97.01 47.52,70.73 v1(46.81,70.02)
led2_r: length 49.8
  Top w0.25: R37.2 66.75,92.29 66.27,92.76 63.67,92.76 59.52,96.91 v1(49.12,96.91)
  Top w0.254: U12.11 47.78,71.59 v1(47.78,69.81)
  Bottom w0.25: v1(47.78,69.81) 48.62,70.66 48.62,96.41 v1(49.12,96.91)
led3_g: length 43.1
  Top w0.25: v1(74.77,74.51) 71.97,71.71 ; R52.2 73,83.76 v1(73,82.97)
  Top w0.254: 71.97,71.71 55.01,71.71 52.72,69.42 49.52,69.42 48.48,70.46 U12.12
  Bottom w0.25: v1(73,82.97) 74.77,81.2 v1(74.77,74.51)
led3_r: length 48.6
  Top w0.25: v1(71.41,87.81) 65.82,87.81 64.87,86.86 R53.2
  Top w0.254: v1(72.93,73.98) 72.71,73.76 50.01,73.76 49.13,72.88 U12.13
  Bottom w0.25: v1(71.41,87.81) 72.14,87.08 72.14,82.77 73.92,80.98 73.92,74.97 v1(72.93,73.98)
led4_g: length 34.1
  Top w0.25: 71.23,72.28 71.31,72.28 v1(71.51,72.48) ; R64.2 72.87,80.46 v1(73.07,80.26)
  Top w0.254: 71.23,72.28 71.07,72.12 54.44,72.12 52.35,70.03 51.11,70.03 50.43,70.71 U12.15
  Bottom w0.25: v1(71.51,72.48) 71.51,73.71 73.07,75.27 v1(73.07,80.26)
led4_r: length 38.1
  Top w0.25: 55.51,72.53 70.21,72.53 v1(70.71,73.03) ; v1(72.12,81.56) 71.97,81.71 65.37,81.71 64.87,81.21 R65.2
  Top w0.254: 55.51,72.53 54.18,72.53 52.73,71.08 51.63,71.08 U12.16
  Bottom w0.25: v1(72.12,81.56) 72.12,75.36 70.71,73.95 v1(70.71,73.03)
led5_g: length 46.5
  Top w0.25: R72.2 20.82,97.36 22.17,98.71 43.62,98.71 49.38,92.95 49.38,81.88 51.08,80.19 U12.17
led5_r: length 40.7
  Top w0.25: U12.18 50.43,79.96 48.96,81.43 48.96,92.27 43.17,98.06 26.05,98.06 R73.2
led6_g: length 45.3
  Top w0.25: R74.2 22.62,93.36 27.55,93.36 31.6,97.41 42.68,97.41 48.51,91.58 48.51,80.93 49.16,80.28 49.16,79.09 U12.20
led6_r: length 40.4
  Top w0.25: U12.21 48.48,80.39 47.95,80.91 47.95,91.28 42.47,96.76 31.62,96.76 27.77,92.91 25.37,92.91 24.92,92.46 R75.2
led7_g: length 44.5
  Top w0.25: 20.82,85.99 20.82,87.36 21.32,87.86 22.27,87.86 v1(22.32,87.81) ; U12.22 47.83,80.29 47.43,80.68 47.43,88.2 46.47,89.16 v1(42.57,89.16)
  Bottom w0.25: v1(42.57,89.16) 42.57,85.61 41.57,84.61 28.02,84.61 27.82,84.81 27.82,87.06 27.07,87.81 v1(22.32,87.81)
led7_r: length 37.9
  Top w0.25: v1(43.27,88.31) 45.67,88.31 46.78,87.2 46.78,80.58 47.18,80.19 U12.23 ; R77.2 24.92,86.51 26.12,87.71 27.07,87.71 27.72,87.06 27.72,84.91 28.82,83.81 v1(29.72,83.81)
  Bottom w0.25: v1(29.72,83.81) 41.42,83.81 43.27,85.66 v1(43.27,88.31)
led8_g: length 38
  Top w0.25: R78.2 20.82,81.26 21.92,82.36 v1(28.97,82.36) ; U12.25 45.88,80.1 46.13,80.36 46.13,87 45.67,87.46 v1(44.02,87.46)
  Bottom w0.25: v1(44.02,87.46) 44.02,85.66 41.39,83.02 29.64,83.02 v1(28.97,82.36)
led8_r: length 31.3
  Top w0.25: R79.2 24.92,81.46 v1(29.87,81.46) ; U12.26 45.23,80.18 45.48,80.43 45.48,85.75 v1(44.72,86.51)
  Bottom w0.25: v1(29.87,81.46) 30.93,82.52 41.73,82.52 44.72,85.51 v1(44.72,86.51)
LEFT-OUT: length 37.6
  Top w0.203: U6.1 161.11,57.08 v1(160.16,58.03) ; C30.1 163.57,54.87 v1(163.48,54.96) ; R44.2 167.31,54.82 v1(167.31,56.06) ; 141.51,51.55 143.86,51.55 v1(143.89,51.58)
  Bottom w0.203: v1(143.89,51.58) 148.77,51.58 150.24,53.05 150.24,54.83 154.05,58.64 159.55,58.64 v1(160.16,58.03) 160.35,58.03 161.81,56.56 ; v1(167.31,56.06) 166.21,54.96 v1(163.48,54.96) 161.88,56.56 161.81,56.56 ; 161.87,56.5 161.81,56.56
LEFT-OUT-F: length 63.5
  Top w0.25: v1(30.37,51.31) 42.9,51.31 J7.1 ; R54.2 6.6,23.24 v1(3.62,26.21)
  Bottom w0.25: v1(3.62,26.21) 3.62,32.11 4.17,32.66 12.52,32.66 19.17,39.31 19.17,48.41 22.07,51.31 v1(30.37,51.31)
MIDI-IN-L-F: length 88.2
  Top w0.25: v1(80.37,12.96) 80.37,11.9 L8.1 ; v1(44.77,27.56) 40.67,31.66 40.67,35.41 41.6,36.34 J7.13 ; v1(44.82,18.41) 44.82,4.51 v1(46.77,2.56)
  Bottom w0.25: v1(80.37,12.96) 81.42,12.96 84.37,10.01 84.37,6.96 78.92,1.51 47.72,1.51 46.72,2.51 v1(46.77,2.56) ; v1(44.77,27.56) 44.77,18.46 v1(44.82,18.41)
MIDI-IN-R-F: length 72.1
  Top w0.25: L9.1 84.13,6.96 v1(83.12,6.96) ; v1(52.97,33.51) 50.15,36.34 J7.14
  Bottom w0.25: v1(52.97,33.51) 52.97,6.31 57.12,2.16 78.32,2.16 v1(83.12,6.96)
MIDI-RX: length 121.9
  Top w0.203: v1(101.76,66.16) 101.63,66.03 101.63,53.68 103.91,51.41 103.91,48.83 104.36,48.38 R4.1 U3.6 105.26,41.66 106.61,40.31 IC1.2
  Top w0.25: v1(156.06,81.81) 156.06,94.36 149.66,100.76 149.66,104.37 A1.15
  Bottom w0.203: v1(101.76,66.16) 116.06,66.16 120.78,70.88 121.93,70.88
  Bottom w0.25: v1(156.06,81.81) 156.28,81.58 156.28,76.86 155.51,76.08 140.53,76.08 135.33,70.88 121.93,70.88
MIDI-RX4: length 23.8
  Top w0.203: R1.2 130.99,33.69 133.6,36.31 136.47,36.31
MIDI-RX5: length 44.5
  Top w0.203: 141.51,36.31 139.98,36.31 139.06,35.4 139.06,33.24 137.76,31.93 104.53,31.93 D3.2 104.32,34.47 U3.3
